# Altium PCB DevKITV3.PcbDoc (part 2 of 5) (continued)
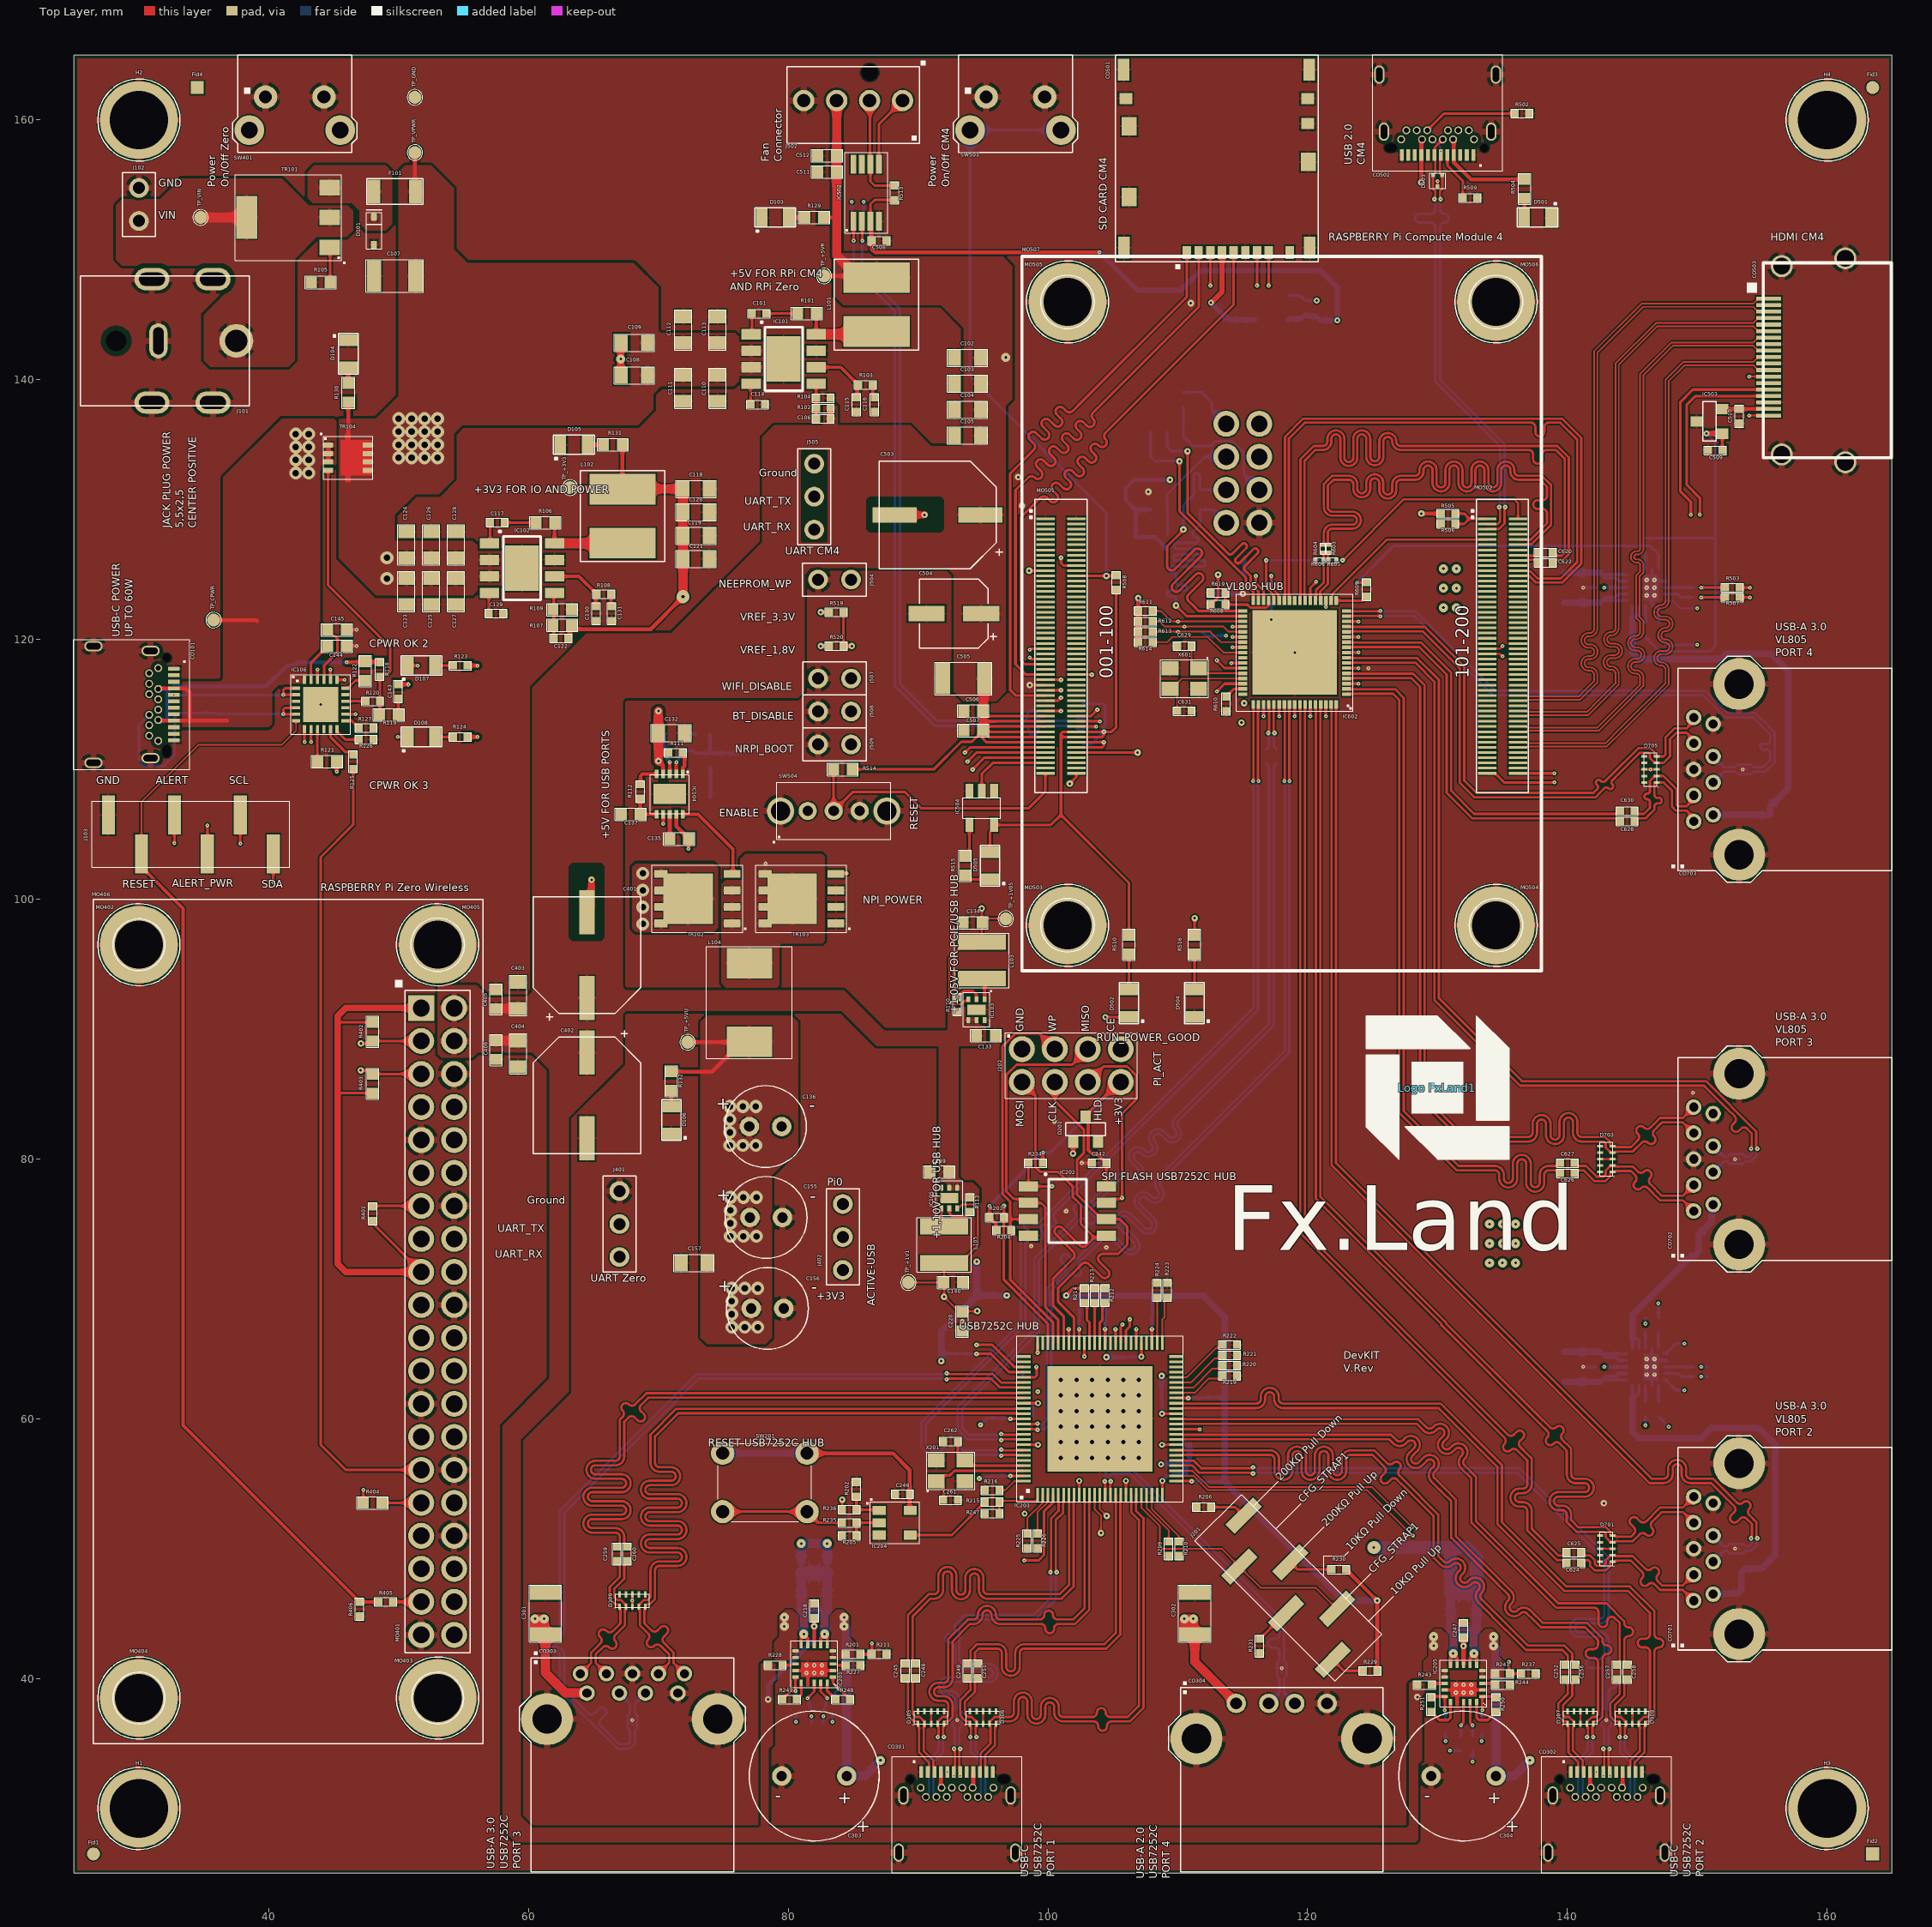
[diagram p0: Top Layer view]
## Via types
v1: diameter 0.3, hole 0.1, Top Layer to Bottom Layer, 136 vias
v2: diameter 0.35, hole 0.1, Top Layer to Bottom Layer, 106 vias
v3: diameter 1, hole 0.5, Top Layer to Bottom Layer, 54 vias
v4: diameter 0.5, hole 0.2, Top Layer to Bottom Layer, 53 vias
v5: diameter 0.7, hole 0.2, Top Layer to Bottom Layer, 37 vias
v6: diameter 0.6, hole 0.33, Top Layer to Bottom Layer, 36 vias
v7: diameter 0.45, hole 0.2, Top Layer to Bottom Layer, 15 vias
v8: diameter 0.4, hole 0.1, Top Layer to Bottom Layer, 2 vias
v9: diameter 1, hole 0.2, Top Layer to Bottom Layer, 1 vias
v10: diameter 1, hole 0.25, Top Layer to Bottom Layer, 1 vias

## Nets (pads, with @x,y where several pads share a name; then routed paths per layer and width w, separated by ;. In a path a pad name is that pad's centre, name@x,y a point inside that pad or via, vN(x,y) a via of type N, cw(c..) or ccw(c..) an arc to the next point about the centre after c; other vN are vias at no path point)
0_RXD0: J401.1 MO401.10 | length 16.5
  Layer 6 w0.2: MO401.10@54.276,81.47 57.99,81.47 J401.1@67,72.46
0_TXD0: J401.2 MO401.8 | length 16.5
  Layer 6 w0.2: MO401.8@54.276,84.01 57.99,84.01 J401.2@67,75
1V8_OUT: MO501.88 MO501.90 R520.1 | length 30.1
  Top Layer w0.2: v4(82.5,119.5) R520.1@83.15,119.5 ; MO501.90@102.19,111.7 104.183,111.7 104.3,111.817 v2(104.3,112.1) MO501.88@102.19,112.1
  Layer 6 w0.2: v4(82.5,119.5) 83.7,118.3 85.2,118.3 91.4,112.1 v2(104.3,112.1)
3V3_OUT: C501.1 C508.1 D505.A IC501.5 IC502.3 IC504.5 MO501.84 MO501.86 R501.1 R508.2 R510.2 R511.1 R512.1 R513.2 R519.1 | length 170.3
  Top Layer w0.2: v4(82.5,122.1) R519.1@83.15,122.1 ; IC502.3@86.325,152.2 86.325,153.525 86.65,153.85 R513.2@88.2,153.85 ; D505.A@95.535,103.635 95.535,105.165 95.85,105.48 IC504.5@95.85,105.73 100.23,105.73 101,106.5 ; R508.2@105.25,123.85 105.25,113.25 104.9,112.9 v2(104.3,112.9) ; R510.2@106.235,97.225 106.235,101.265 101,106.5 ; 101,106.5 101,112.5 ; 101,112.5 MO501.86@102.19,112.5 104.183,112.5 104.3,112.617 v2(104.3,112.9) ; 101,112.5 101,112.75 101.15,112.9 MO501.84@102.19,112.9 v2(104.3,112.9)
  Top Layer w0.3: IC502.3@86.325,152.2 86.388,152.137 86.388,150.763 C508.1@86.45,150.7 86.45,150.05 86.7,149.8 103.948,149.8 v1(103.969,149.821)
  Layer 6 w0.2: v4(82.5,122.1) 83.8,120.8 85.5,120.8 91.175,115.125 101.528,115.125 101.703,115.3 104.6,115.3 105,114.9 105,112.9
  Layer 6 w0.4: v2(104.3,112.9) 105,112.9 105.941,112.9 106.175,113.134 106.175,131.075 119.675,144.575 v7(122.275,144.575)
  Bottom Layer w0.2: R512.1@102.7,111.95 103.35,111.95 v2(104.3,112.9) 104.3,113.3 104.4,113.4 104.4,114.9 104.25,115.05 R511.1@102.7,115.05
  Bottom Layer w0.4: v1(103.969,149.821) 106.89,146.9 110.225,146.9 111.725,148.4 121,148.4 122.275,147.125 v7(122.275,144.575) 122.265,144.585 120.965,144.585 C501.1@120.925,144.625 120.9,144.625 120.625,144.9 119.9,144.9 R501.1@119.8,145 119.5,144.7 118.6,144.7 IC501.5@118.5,144.6
+1V1: C140.1 C220.1 C221.1 C222.1 C223.1 C224.1 C225.1 C226.1 C227.1 C228.1 C229.1 C230.1 C231.1 C232.1 C233.1 C234.1 C235.1 C236.1 C237.1 C238.1 IC105.3 IC203.9 IC203.18 IC203.25 IC203.33 IC203.39 IC203.55 IC203.78 IC203.85 IC203.93 L105.2 TP_+1V1.1 | length 44.7
  Top Layer w0.15: TP_+1V1.1@89.25,70.5 C140.1@91.975,70.5 ; v4(92,69.4) 92,70.475 C140.1@91.975,70.5 ; v4@92.019,69.381 92.95,68.45 93.175,68.45 C220.1@93.4,68.225 93.456,68.281 94.531,68.281 v4(94.55,68.3) ; IC105.3@93.1,76.2 93.1,76.25 93.15,76.3 93.2,76.3 93.4,76.5 94.4,76.5 94.6,76.3 94.6,73.372 93.75,72.522 93.75,72.5 93.25,72 L105.2@92,72 92,70.525 C140.1@91.975,70.5
  Top Layer w0.2: v2(94.5,65.7) 95.7,65.7 97.4,64 IC203.78@98.15,64 ; IC203.93@98.15,58 v7(99.225,58) ; IC203.85@98.15,61.2 v7(99.225,61.2) ; IC203.9@102.4,54.15 v7(102.4,55.225) ; IC203.18@106,54.15 v7(106,55.225) ; v7(107.2,64.775) IC203.55@107.2,65.85 ; v7(108.775,58) IC203.33@109.85,58 ; v7(108.775,60.4) IC203.39@109.85,60.4 ; IC203.25@108.8,54.15 v7(108.8,55.225)
  Bottom Layer w0.2: C233.1@98.85,60.2 C233.1@98.85,60.3 C234.1@98.85,61.2 v7(99.225,61.2) ; C229.1@105.2,64.75 C230.1@106.2,64.75 106.225,64.775 v7(107.2,64.775) ; C227.1@108.75,62.6 C228.1@108.75,61.6 108.775,61.575 v7(108.775,60.4) ; v7(108.775,58) 109.95,58 C226.1@110,58.05 C225.1@110.9,58.05 ; v7(108.8,55.225) 109.171,55.596 109.446,55.596 C224.1@109.6,55.75 C223.1@110.6,55.75
  Bottom Layer w0.4: v4(104.5,64.75) C229.1@105.2,64.75 ; v7(108.7,56.5) 110.523,56.5 110.573,56.45 110.6,56.45 ; C227.1@108.75,62.6 v4(108.75,63.3) ; C223.1@110.6,55.75 110.6,56.45 ; C225.1@110.9,58.05 110.9,56.777 110.6,56.477 110.6,56.45
  other v7: 98.2,52.7
+1V2: C145.1 IC106.21 | length 4.6
  Top Layer w0.2: IC106.21@44.25,116.9 44.275,116.925 44.275,118.025 45.275,119.025 45.275,120.085 45.085,120.275 44.975,120.275 44.525,120.725 C145.1@44.525,120.75
+1V05: C134.1 C610.1 C611.1 C612.1 C613.1 C614.1 C615.1 C616.1 C617.1 C618.1 C619.1 IC103.3 IC602.3 IC602.9 IC602.12 IC602.29 IC602.45 IC602.54 IC602.60 IC602.63 L103.2 TP_+1V05.1 | length 28.1
  Top Layer w0.15: IC103.3@93.875,92.3 93.875,92.262 93.8,92.187 93.595,92.187 93.332,91.925 92.517,91.925 92.4,92.042 92.4,95.453 93.122,96.175 94.375,96.175 L103.2@94.9,96.7 94.9,98.175 C134.1@94.925,98.2 ; v4(94.9,99.3) 94.9,98.225 C134.1@94.925,98.2 ; TP_+1V05.1@96.75,98.5 96.725,98.525 95.249,98.525 C134.1@94.925,98.2
  Top Layer w0.176: v2(117.2,124.9) 117.2,124 117.748,123.452 117.748,123.052 IC602.29@117.8,123
  Top Layer w0.2: v1(114.1,118.2) IC602.45@115,118.2 ; v1(116.6,114.1) IC602.54@116.6,115 ; v1(119,114.1) IC602.60@119,115 ; v1(120.2,114.1) IC602.63@120.2,115 ; IC602.3@123,116.6 v1(123.9,116.6) ; IC602.9@123,119 v1(123.9,119) ; IC602.12@123,120.2 v1(123.9,120.2)
  Bottom Layer w0.25: v1(114.1,118.2) C614.1@114.95,118.2 ; v1(116.6,114.1) C616.1@116.6,114.95 ; C613.1@117.2,123.95 v2(117.2,124.9) ; v1(119,114.1) C615.1@119,114.95 ; v1(120.2,114.1) C617.1@120.2,114.95 ; C618.1@123.05,116.6 v1(123.9,116.6) ; C612.1@123.05,119 v1(123.9,119) ; C619.1@123.05,120.2 v1(123.9,120.2)
  other v4: 115.1,115.1
+2V7: C144.1 IC106.23 | length 3.1
  Top Layer w0.2: IC106.23@43.25,116.9 43.25,118.225 44.175,119.15 44.2,119.15 44.525,119.475 C144.1@44.525,119.5
+3V3: C118.1 C119.1 C120.1 C121.1 C122.1 C201.1 C202.1 C203.1 C204.1 C205.1 C206.1 C207.1 C208.1 C209.1 C210.1 C211.1 C212.1 C213.1 C214.1 C215.1 C216.1 C217.1 C246.1 C602.1 C603.1 C604.1 C605.1 C606.1 C607.1 C608.1 C609.1 D201.1 D601.1 IC203.26 IC203.42 IC203.53 IC203.62 IC203.67 IC203.79 IC203.88 IC203.99 IC204.5 IC602.6 IC602.15 IC602.23 IC602.32 IC602.46 IC602.49 IC602.57 IC602.66 IC604.15 L102.2 R107.2 R131.1 R212.1 R213.1 R214.1 R229.2 R230.1 R607.2 R609.1 R611.1 R612.1 R613.1 R614.1 SW201.1 SW201.2 TP_+3V3.1 | length 220.8
  Top Layer w0.2: v2(94.5,65) 95.6,65 97,63.6 IC203.79@98.15,63.6 ; v2(97.1,55.6) IC203.99@98.15,55.6 ; v2(97.1,60) IC203.88@98.15,60 ; IC203.67@102.4,65.85 v2(102.4,66.9) ; IC203.62@104.4,65.85 v2(104.4,66.9) ; IC203.53@108,65.85 v2(108,66.9) ; IC203.26@109.85,55.2 v2(111.075,55.2) ; IC203.42@109.85,61.6 v2(110.8,61.6) ; v1(113,116) 113.6,116.6 IC602.49@115,116.6 ; v1(113,118.4) 113.6,117.8 IC602.46@115,117.8 ; v2(116,124.9) 116,124.352 116.6,123.752 IC602.32@116.6,123 ; v1(117.8,114.1) IC602.57@117.8,115 ; IC602.23@120.2,123 120.2,123.975 120.65,124.425 v1(120.65,124.45) ; v1(121.4,114.1) IC602.66@121.4,115 ; IC602.6@123,117.8 v1(123.9,117.8) ; IC602.15@123,121.4 v1(123.9,121.4) ; v1(123.8,124.4) R609.1@124.525,124.4
  Top Layer w0.25: v4(101.4,69.5) 101.95,70.05 R214.1@102.8,70.05 R213.1@103.6,70.05 R212.1@104.4,70.05
  Top Layer w0.3: C122.1@63.05,120.1 63.188,120.238 63.188,120.963 R107.2@63.325,121.1 63.325,121.075 63.6,120.8 69.4,120.8 v10(71.9,123.3) ; TP_+3V3.1@63.2,131.7 65.75,131.7 67.125,131.7 L102.2@67.225,131.6 ; R131.1@67.225,135 L102.2@67.225,131.6 ; L102.2@67.25,131.575 L102.2@67.225,131.6 ; SW201.2@81.45,57.35 88.05,57.35 89.35,56.05 C246.1@89.35,54.2 89.35,53 IC204.5@89.4,52.95 ; v4(101.925,80.425) 101.937,80.437 101.937,81.288 D201.1@101.95,81.3 ; R614.1@106.95,119.8 R613.1@106.95,120.6 R612.1@106.95,121.4 R611.1@106.95,122.2 v4(106.95,123.2) ; R230.1@122.95,48.4 v4(125.35,46) R229.2@125.35,40.6
  Top Layer w0.7: L102.2@65.75,131.7 65.875,131.575 L102.2@67.25,131.575 67.275,131.6 C118.1@71.9,131.6 C120.1@71.9,129.8 C119.1@71.9,128 C121.1@71.9,126.2 v10(71.9,123.3)
  Layer 6 w0.5: SW201.2@81.45,57.35 88.55,64.45 v4(91.775,64.45) 93.025,64.45 94.797,62.678 94.797,55.497 v8(94.7,55.4) ; v4(96.825,69.5) v4(101.4,69.5)
  Bottom Layer w0.2: 91.775,65.025 C212.1@92.6,65.025 93.375,65.025 93.4,65 v2(94.5,65) ; v8(94.7,55.4) 95.15,55.4 C216.1@95.3,55.55 C217.1@96.1,55.55 96.15,55.6 v2(97.1,55.6) ; v8(94.797,59.547) C214.1@95.3,60.05 C215.1@96.1,60.05 96.15,60 v2(97.1,60) ; v2(102.4,66.9) 102.4,67.85 C211.1@102.45,67.9 C210.1@102.45,68.7 102.45,69.5 ; v2(104.4,66.9) 104.4,67.85 C209.1@104.45,67.9 C208.1@104.45,68.7 104.45,69.5 ; v2(108,66.9) 108,67.85 C207.1@108.05,67.9 C206.1@108.05,68.7 108.05,69.5 ; v2(110.8,61.6) 111.95,61.6 C205.1@112,61.65 C204.1@112.8,61.65 113.6,61.65 ; v2(111.075,55.2) 111.95,55.2 C203.1@112,55.15 C202.1@112.8,55.15 113.6,55.15 ; v1(123.8,124.4) 126.625,127.225 146.358,127.225 147,126.583 IC604.15@147,125.45
  Bottom Layer w0.3: C602.1@115.125,126.3 115.137,126.287 115.137,124.912 C604.1@115.15,124.9
  Bottom Layer w0.5: SW201.1@74.95,57.35 SW201.2@81.45,57.35 ; v4(91.775,64.45) 91.775,65.025 91.775,66.75 C201.1@94.513,69.487 94.513,69.735 94.53,69.753 94.513,69.77 v4(94.513,72.1) ; C201.1@94.53,69.505 95.845,69.505 95.85,69.5 v4(96.825,69.5) ; v4(101.4,69.5) 102.45,69.5 104.45,69.5 108.05,69.5 111.95,69.5 113.6,67.85 113.6,61.65 113.6,55.15 122.75,46 v4(125.35,46)
  other v4: 114.9,113.6
+3V3_PCIe: C601.1 D601.3 IC601.8 J601.8 R601.1 R602.1 | length 22.7
  Layer 3 w0.3: v4(109.4,132.3) 109.438,132.338 109.738,132.338 113.73,136.33 J601.8@113.73,136.61
  Bottom Layer w0.2: R601.1@110.4,139.05 111.85,139.05 112.6,138.3 112.6,137.74 J601.8@113.73,136.61
  Bottom Layer w0.3: IC601.8@107.9,130 C601.1@106.75,130 ; R602.1@109.2,126.95 108.25,127.9 D601.3@106.75,127.9 C601.1@106.75,130 ; v4(109.4,132.3) 106.625,132.3 106,131.675 106,130.75 C601.1@106.75,130
+3V3_U7252: C242.1 D201.3 IC202.8 J202.8 R203.2 R204.2 R234.2 | length 27.1
  Top Layer w0.25: v1(95.5,76.4) R203.2@95.5,75.5 95.996,75.004 95.996,74.554 R204.2@96.05,74.5 ; R234.2@99.6,79.7 v1(99.6,80.5) ; IC202.8@104.5,77.9 C242.1@104.5,79.7 103.8,80.4 103.4,80.4 103.1,80.7 103.1,83.1 D201.3@102.9,83.3 102.9,83.35 105.48,85.93 J202.8@105.61,85.93
  Bottom Layer w0.25: v1(95.5,76.4) v1(99.6,80.5) 100.18,80.5 J202.8@105.61,85.93
+3V3R: J402.1 MO401.1 MO401.17 R401.2 R402.1 R403.1 R404.1 | length 124.2
  Top Layer w0.2: 45.3,85 45.375,85.075 R403.1@48,85.075 ; 45.3,90.4 45.425,90.525 R402.1@48,90.525 ; R404.1@47.275,53.53 v1(47.275,54.525) ; R401.2@48,75.25 48.2,75.05 48.2,74.846 MO401.17@51.736,71.31
  Top Layer w0.5: MO401.17@51.736,71.31 45.93,71.31 45.3,71.94 45.3,85 45.3,90.4 45.3,91 45.93,91.63 MO401.1@51.736,91.63
  Layer 3 w0.2: 48.862,74.184 49.778,75.1 61.5,75.1 65.8,70.8 68.2,70.8 68.86,71.46 J402.1@84.2,71.46
  Layer 3 w0.5: v1(47.275,54.525) 47.275,66.849 MO401.17@51.736,71.31 48.862,74.184 48,75.046 48,87.894 MO401.1@51.736,91.63
+5VR: C102.1 C103.1 C104.1 C105.1 C106.1 C133.1 C139.1 C218.1 C247.1 C401.1 C402.1 C403.1 C404.1 C405.1 C406.1 C503.1 C504.1 C505.1 C506.1 C507.1 C509.1 C511.1 C512.1 C632.1 C637.1 IC103.4 IC103.5 IC105.4 IC105.5 IC201.8 IC205.8 IC503.1 IC603.8 IC604.8 J502.3 L101.2 MO401.2 MO401.4 MO501.77 MO501.79 MO501.81 MO501.83 MO501.85 MO501.87 R102.2 R110.1 R113.1 R129.1 R228.2 R243.2 R514.2 R623.2 R624.2 R625.1 R626.1 TP_+5VR.1 | length 213.1
  Top Layer w0.2: R514.2@84.925,110 91.2,110 93.325,112.125 94.125,112.125 C507.1@94.975,112.975 ; 94.975,113.7 MO501.79@99.81,113.7 ; C506.1@94.975,114.5 94.975,114.475 95.35,114.1 MO501.77@99.81,114.1 ; C507.1@95.063,112.887 95.45,112.5 MO501.85@99.81,112.5 ; MO501.87@99.81,112.1 95.25,112.1 94.975,112.375 C507.1@94.975,112.975 ; MO501.83@99.81,112.9 95.075,112.9 C507.1@94.975,113 ; MO501.81@99.81,113.3 95.275,113.3 C507.1@94.975,113 ; C509.1@151.925,134.575 IC503.1@151.925,135.85 ; C507.1@94.975,112.975 C507.1@94.975,113
  Top Layer w0.25: IC201.8@82,42.575 v4(82,44.025) C218.1@82,44.5 ; R129.1@82.725,152.5 83.705,152.5 83.73,152.475
  Top Layer w0.3: TP_+5VR.1@82.75,148 85.3,148 86.675,148 L101.2@86.8,147.875
  Top Layer w0.35: C106.1@83.25,137 R102.2@83.25,137.8 ; IC205.8@132,41.075 v4(132,42.5) C247.1@132,43.175
  Top Layer w0.4: v7(150.7,135.875) 150.71,135.865 151.906,135.865 IC503.1@151.908,135.867
  Top Layer w0.5: C506.1@94.975,114.5 C506.1@95.037,114.562 ; C505.1@95.037,116.937 C505.1@95.1,117
  Top Layer w0.7: C406.1@57.5,89.125 57.512,89.113 59.187,89.113 C404.1@59.2,89.1 ; C405.1@57.5,91.575 57.512,91.588 59.188,91.588 C403.1@59.2,91.6 ; J502.3@83.8,161.7 83.73,161.63 J502.3@83.73,161.5 83.73,152.475 83.73,149.57 85.3,148 85.425,147.875 L101.2@86.8,147.875 ; C507.1@94.975,113 94.975,113.7 C506.1@94.975,114.475 ; C506.1@95.037,114.562 C505.1@95.037,116.937
  Layer 3 w0.35: v4(128.45,38.575) 130.03,40.155 131.155,40.155 131.99,40.99 131.99,42.49 v4(132,42.5)
  Layer 6 w0.3: v1(142.825,124) 144.702,125.877 147.8,125.877 ; v1(146,59.5) 142.825,62.675 v1(142.825,64) 142.825,67.354 ; v1(146,67.325) 142.854,67.325 142.825,67.354 ; v7@150.725,135.85 v7(150.7,135.875) 147.8,132.975 147.8,125.877 ; 142.825,67.354 142.825,83.325 147.8,88.3 147.8,125.877
  Bottom Layer w0.2: v1(146,59.5) R625.1@146,60.2 ; v1(146,67.325) R623.2@146,67.8 ; R626.1@146,120.2 147.1,119.1 151,119.1 151.4,119.5 151.4,127.759 ; R624.2@146,127.8 151.359,127.8 151.4,127.759 ; v7(150.7,135.875) 151.4,135.175 151.4,127.759
  Bottom Layer w0.25: v1(142.825,64) C632.1@143.3,64 IC603.8@144.55,64 ; v1(142.825,124) C637.1@143.3,124 IC604.8@144.55,124
  Bottom Layer w0.35: v4(78.45,38.4) 78.45,39.475 82,43.025 v4(82,44.025)
  other v5: 96.75,141.725
+5VU: C136.1 C155.1 C156.1 C157.1 C219.1 C239.1 C240.1 C241.1 C250.1 C253.1 C254.1 C255.1 C633.1 C634.1 C635.1 C636.1 C638.1 C639.1 C640.1 C641.1 IC201.6 IC201.7 IC201.9 IC201.10 IC205.6 IC205.7 IC205.9 IC205.10 IC603.6 IC603.7 IC603.9 IC603.10 IC604.6 IC604.7 IC604.9 IC604.10 L104.2 R115.2 R116.2 R132.1 TP_+5VU.1 | length 92.8
  Top Layer w0.25: IC201.10@81,42.575 81,43.103 81.2,43.303 v5@81.2,43.371 ; v5(81.2,43.425) v5@81.2,43.371 ; IC201.9@81.5,42.575 81.5,43.071 v5@81.2,43.371 ; IC201.7@82.5,42.575 82.5,43.071 v5@82.8,43.371 ; v5(82.8,43.425) v5@82.8,43.371 ; IC201.6@83,42.575 83,43.103 82.8,43.303 v5@82.8,43.371 ; IC205.10@131,41.075 131,41.603 131.2,41.803 v5@131.2,41.871 ; v5(131.2,41.925) v5@131.2,41.871 ; IC205.9@131.5,41.075 131.5,41.571 v5@131.2,41.871 ; IC205.7@132.5,41.075 132.5,41.571 v5@132.8,41.871 ; v5(132.8,41.925) v5@132.8,41.871 ; IC205.6@133,41.075 133,41.603 132.8,41.803 v5@132.8,41.871
  Top Layer w0.3: R132.1@71,86.725 74.125,86.725 L104.2@76.4,89 ; TP_+5VU.1@72.25,89 L104.2@76.4,89 ; L104.2@76.4,89 76.975,89 L104.2@77,89.025 76.425,89.025 L104.2@76.4,89
  Bottom Layer w0.25: C634.1@142.5,62.85 C634.1@142.65,63 ; C636.1@142.5,65.15 C636.1@142.65,65 ; C641.1@142.5,122.85 C641.1@142.65,123 ; C640.1@142.5,125.15 C640.1@142.65,125 ; IC603.6@144.55,63 C634.1@142.65,63 ; IC603.7@144.55,63.5 143.925,63.5 143.7,63.275 142.925,63.275 C634.1@142.65,63 ; IC603.9@144.55,64.5 143.925,64.5 143.7,64.725 142.925,64.725 C636.1@142.65,65 ; IC603.10@144.55,65 C636.1@142.65,65 ; IC604.6@144.55,123 C641.1@142.65,123 ; IC604.7@144.55,123.5 143.925,123.5 143.7,123.275 142.925,123.275 C641.1@142.65,123 ; IC604.9@144.55,124.5 143.925,124.5 143.7,124.725 142.925,124.725 C640.1@142.65,125 ; IC604.10@144.55,125 C640.1@142.65,125
  Bottom Layer w0.5: C633.1@139.75,62.85 C634.1@142.5,62.85 ; C635.1@139.75,65.15 C636.1@142.5,65.15 ; C639.1@139.75,122.85 C641.1@142.5,122.85 ; C638.1@139.75,125.15 C640.1@142.5,125.15
  Bottom Layer w0.7: C240.1@81,48.125 C241.1@81,45.125 C239.1@83,45.125 ; C240.1@81,49 v5(81,50.4) v5(83,50.4) C219.1@83,49 ; v5(81.2,43.425) C241.1@81.2,44.925 ; v5(82.8,43.425) 82.8,44.925 C239.1@83,45.125 ; C219.1@83,48.125 C239.1@83,45.125 ; C253.1@131,46.625 C254.1@131,43.625 C255.1@133,43.625 ; v5(131.2,41.925) C254.1@131.2,43.425 ; v5(132.8,41.925) 132.8,43.425 C255.1@133,43.625 ; C250.1@133,46.625 C255.1@133,43.625
  Bottom Layer w1: C240.1@81,48.125 C219.1@83,48.125 ; v9(125.1,50.1) 130.819,50.1 ; 130.819,50.1 132.2,50.1 133,49.3 C250.1@133,46.625 C253.1@131,46.625 131,49.919 130.819,50.1
  other v3: 75.65,67.05 76.65,67.05 77.65,67.05 75.65,68.05 75.65,69.05 75.65,70.05 76.65,70.05 77.65,70.05 75.55,74.05 76.55,74.05 77.55,74.05 75.55,75.05 75.55,76.05 75.55,77.05 76.55,77.05 77.55,77.05 75.5,81.05 76.5,81.05 77.5,81.05 75.5,82.05 75.5,83.05 75.5,84.05 76.5,84.05 77.5,84.05
  other v5: 134,72 135,72 136,72 134,73.5 135,73.5 136,73.5 134,75 135,75 136,75 130.45,122.45 131.45,122.45 130.45,123.95 131.45,123.95 130.45,125.45 131.45,125.45
+VCC: C137.1 IC104.6 R112.1 | length 2.5
  Top Layer w0.25: R112.1@68.6,107.75 C137.1@68.6,106.55 IC104.6@69.875,106.55
ACTIVE_USB: J402.2 R217.2 | length 20
  Layer 3 w0.127: J402.2@84.2,74 96.1,62.1 v2(99.225,62.1)
ACTIVE_USB_ZERO: J402.3 MO401.11 | length 34.1
  Layer 3 w0.127: MO401.11@51.736,78.93 52.966,77.7 59.95,77.7 60.75,78.5 82.24,78.5 J402.3@84.2,76.54
ALERT: J103.4 MO401.31 R404.2 | length 67
  Top Layer w0.2: v1(32.73,104.31) J103.4@32.73,106.5 ; R404.2@48.725,53.53 MO401.31@51.736,53.53
  Layer 3 w0.2: v1(32.73,104.31) 36.4,100.64 36.4,93.9 45.7,84.6 45.7,54.2 46.37,53.53 MO401.31@51.736,53.53
ALERT_1: IC201.20 R248.1 | length 1.5
  Top Layer w0.21: IC201.20@83,39.675 83,39.05 R248.1@83.65,38.4
ALERT_2: IC205.20 R250.1 | length 3
  Top Layer w0.21: IC205.20@133,38.175 133,37 133.2,36.8 133.85,36.8 R250.1@134.5,37.45
ALERT_3: IC201.16 R249.1 | length 1.4
  Top Layer w0.21: R249.1@80.65,38.4 81,38.75 IC201.16@81,39.675
ALERT_3-2: IC602.41 IC603.20 R613.2 | length 103.9
  Top Layer w0.125: R613.2@108.05,120.6 112.5,120.6 113.3,119.8 IC602.41@115,119.8
  Layer 3 w0.2: v1(110,120.6) 110,117.5 113.375,114.125 113.375,70.665 125.14,58.9 148.3,58.9 149,59.6 v1(149,62.2)
  Bottom Layer w0.2: IC603.20@147.45,63 147.575,63 148.375,62.2 v1(149,62.2)
ALERT_3-3: IC602.39 IC603.16 R612.2 | length 102.4
  Top Layer w0.125: R612.2@108.05,121.4 108.6,121.4 109,121 v1(110.5,121) 113.5,121 113.9,120.6 IC602.39@115,120.6
  Layer 3 w0.2: v1(110.5,121) 113.6,121 113.9,120.7 114,120.6 114.5,120.6 115.35,119.75 115.35,115.814 115.575,115.589 115.575,113.603 114.35,112.378 114.35,71.069 116.194,69.225 146.725,69.225 146.9,69.4 148.1,69.4 149,68.5 v1(149,65.8)
  Bottom Layer w0.2: IC603.16@147.45,65 147.575,65 148.375,65.8 v1(149,65.8)
ALERT_3-4: IC602.37 IC604.20 R611.2 | length 51.1
  Top Layer w0.125: R611.2@108.05,122.2 108.7,122.2 109.5,121.4 v1(110,121.4) IC602.37@115,121.4
  Layer 3 w0.125: v1(110,121.4) 115,121.4 116.7,123.1 145.4,123.1 146.1,122.4 148.8,122.4 v1(150,122.4)
  Bottom Layer w0.125: IC604.20@147.45,123 148.1,123 148.7,122.4 v1(150,122.4)
ALERT_4: IC205.16 R251.1 | length 3
  Top Layer w0.21: R251.1@129.5,37.45 130.15,36.8 130.8,36.8 131,37 IC205.16@131,38.175
ALERT_PWR: IC106.19 J103.3 | length 19.3
  Top Layer w0.2: J103.3@35.27,103.5 v1(35.27,105.69) ; IC106.19@45.25,116.9 v1(45.825,116.9)
  Layer 3 w0.2: v1(35.27,105.69) 42.15,112.57 42.15,112.85 42.15,114.85 44.2,116.9 v1(45.825,116.9)
BT_DIS: J508.2 MO501.91 | length 16.9
  Top Layer w0.2: v2(93.806,110.606) 94.5,111.3 MO501.91@99.81,111.3
  Layer 6 w0.2: J508.2@84.835,114.46 88.689,110.606 v2(93.806,110.606)
CC1: CO101.5 D102.1 IC106.1 IC106.2 | length 10.9
  Top Layer w0.2: IC106.2@42.1,115.75 v1(41.125,115.75) 41.133,115.758 41.133,116.133 41.25,116.25 IC106.1@42.1,116.25
  Bottom Layer w0.2: v1(32.7,115.75) 32.719,115.731 35.694,115.731 D102.1@35.775,115.65 35.856,115.731 41.106,115.731 v1(41.125,115.75)
CC2: CO101.25 D102.2 IC106.4 IC106.5 | length 21
  Top Layer w0.2: IC106.5@42.1,114.25 v1(41.125,114.25) 41.133,114.258 41.133,114.633 41.25,114.75 IC106.4@42.1,114.75
  Bottom Layer w0.2: CO101.25@30.79,114.2 30,113.41 30,110.621 30.351,110.27 31.902,110.27 32.75,111.118 32.75,114.025 33.075,114.35 D102.2@35.775,114.35 35.856,114.269 41.106,114.269 v1(41.125,114.25)
CEC: CO503.13 MO502.151 | length 31.4
  Top Layer w0.127: MO502.151@133.81,119.3 134.8,119.3 v1(135,119.5)
  Top Layer w0.152: v1(153.975,140.25) CO503.13@155.5,140.25
  Layer 6 w0.127: v1(135,119.5) 135,121.275 v1(153.975,140.25)
CFG_STRAP1: IC203.21 J201.2 J201.5 | length 20.2
  Top Layer w0.125: IC203.21@107.2,54.15 107.2,53.148 108.6,51.748 108.6,50.2 108.8,50 113.379,50 J201.5@114.745,48.633 116.379,47 120.621,47 J201.2@122.255,45.367
CFG_STRAP2: IC203.22 R209.2 | length 4.3
  Top Layer w0.125: IC203.22@107.6,54.15 107.6,53.121 109.3,51.421 R209.2@109.3,50.55
CFG_STRAP3: IC203.23 R210.2 | length 4.5
  Top Layer w0.125: IC203.23@108,54.15 108,53.042 110.076,50.966 110.076,50.574 R210.2@110.1,50.55
CK_N: CO503.12 MO502.190 | length 49
  Top Layer w0.125: MO502.190@136.19,111.7 136.805,111.7 136.88,111.774 143.029,111.774 144.204,112.949 147.8,116.545 147.8,117.49 147.8,117.678 ccw(c147.233,117.678) 147.233,118.245 147.23,118.245 cw(c147.23,118.562) 146.913,118.562 cw(c147.23,118.562) 147.23,118.878 147.542,118.878 ccw(c147.542,119.446) 148.109,119.446 ccw(c147.542,119.446) 147.542,120.013 ; 147.542,120.013 cw(c147.542,120.33) 147.225,120.33 cw(c147.542,120.33) 147.542,120.646 ; 147.542,120.646 ccw(c147.542,121.214) 148.109,121.214 ccw(c147.542,121.214) 147.542,121.781 147.232,121.781 cw(c147.232,122.098) 146.916,122.098 cw(c147.232,122.098) 147.232,122.414 ccw(c147.233,122.982) 147.8,122.982 147.8,126.107 147.8,139.9 149.025,141.125 154.314,141.125 154.387,141.051 154.387,141.033 154.483,140.937 154.513,140.937 154.7,140.75 CO503.12@155.5,140.75
CK_P: CO503.10 MO502.188 | length 49
  Top Layer w0.125: MO502.188@136.19,112.1 136.805,112.1 136.879,112.025 142.925,112.025 144.1,113.2 147.549,116.649 147.549,117.49 147.549,117.678 ccw(c147.233,117.678) 147.233,117.994 147.23,117.994 cw(c147.23,118.562) 146.662,118.562 cw(c147.23,118.562) 147.23,119.129 147.542,119.129 ccw(c147.542,119.446) 147.858,119.446 ccw(c147.542,119.446) 147.542,119.762 ; 147.542,119.762 cw(c147.542,120.33) 146.974,120.33 cw(c147.542,120.33) 147.542,120.897 ; 147.542,120.897 ccw(c147.542,121.214) 147.858,121.214 ccw(c147.542,121.214) 147.542,121.53 147.232,121.53 cw(c147.232,122.098) 146.665,122.098 cw(c147.232,122.098) 147.232,122.665 ccw(c147.233,122.982) 147.549,122.982 147.549,126.107 147.549,140.004 148.921,141.376 154.314,141.376 154.387,141.449 154.387,141.467 154.483,141.563 154.512,141.563 154.7,141.75 CO503.10@155.5,141.75
CM4_RXD0: J505.1 MO501.51 | length 31
  Top Layer w0.2: v1(98.6,119.2) 98.7,119.3 MO501.51@99.81,119.3
  Layer 3 w0.2: J505.1@82,128.46 83.5,128.46 83.6,128.46 ccw(c83.6,128.814) 83.954,128.814 83.954,129.018 cw(c84.308,129.018) 84.662,129.018 84.662,127.776 ccw(c85.016,127.776) 85.37,127.776 85.37,128.106 cw(c85.724,128.106) 85.724,128.46 86.584,128.46 97.64,128.46 99.8,126.3 99.8,119.6 99.4,119.2 v1(98.6,119.2)
CM4_TXD0: J505.2 MO501.55 | length 31
  Top Layer w0.2: v1(98.6,118.6) 98.7,118.5 MO501.55@99.81,118.5
  Layer 3 w0.2: J505.2@82,131 96.3,131 100.424,126.876 100.424,119.424 99.6,118.6 v1(98.6,118.6)
COMM_ILIM_13: IC201.3 R227.2 | length 1
  Top Layer w0.2: IC201.3@83.45,41.125 83.475,41.1 83.775,41.1 83.85,41.025 R227.2@84.45,41.025
COMM_ILIM_24: IC205.3 R244.2 | length 1
  Top Layer w0.2: IC205.3@133.45,39.625 134.35,39.625 R244.2@134.45,39.525
CPWR: CO101.4 CO101.9 CO101.24 CO101.29 IC106.24 R118.2 R122.1 TP_CPWR.1 TR104.1 TR104.2 TR104.3 | length 35.8
  Top Layer w0.3: CO101.24@31.49,113.8 31.54,113.75 CO101.9@32.7,113.75 33.862,113.75 ; CO101.29@31.49,116.2 31.54,116.25 CO101.4@32.7,116.25 33.55,116.25 33.9,115.9 33.9,113.788 33.862,113.75 ; TP_CPWR.1@35.75,121.5 39.025,121.5 39.095,121.43 ; 36.8,113.75 33.862,113.75 ; TR104.3@44.575,133.675 TR104.2@44.575,134.325 TR104.1@44.575,134.975 ; v1(46,118.25) 47.375,118.25 R122.1@47.425,118.3 47.45,118.275 48.525,118.275 R118.2@48.55,118.25
  Bottom Layer w0.3: CO101.24@31.49,113.8 32.2,113.8 32.2,115.957 32.3,116.057 32.3,116.2 ; CO101.29@31.49,116.2 32.3,116.2 ; v1(46,118.25) 42.25,118.25 42,118 41.4,118 39.8,116.4 32.643,116.4 32.443,116.2 32.3,116.2
  other v3: 42.075,132.825 43.075,132.825 42.075,133.825 43.075,133.825 42.075,134.825 43.075,134.825 42.075,135.825 43.075,135.825
CPWR_ATTACH: MO401.29 R125.2 | length 61.6
  Top Layer w0.2: R125.2@46.5,110.05 46.5,105.75 44,103.25 44,58 45.93,56.07 MO401.29@51.736,56.07
CPWR_PWROK2: D107.K IC106.20 | length 8.4
  Top Layer w0.2: IC106.20@44.75,116.9 v1(44.75,117.675) ; D107.K@50.7,118 v1(51.475,118)
  Layer 3 w0.2: v1(44.75,117.675) 51.15,117.675 v1(51.475,118)
CPWR_PWROK3: D108.K IC106.14 | length 5.5
  Top Layer w0.2: IC106.14@45.9,114.25 v1(46.675,114.25) ; v1(49.925,112.5) D108.K@50.7,112.5
  Layer 3 w0.2: v1(46.675,114.25) 48.425,112.5 v1(49.925,112.5)
DP1_DISCH: IC203.46 R222.2 | length 4.6
  Top Layer w0.127: IC203.46@109.85,63.2 110.7,63.2 112.964,65.464 113.214,65.464 R222.2@113.45,65.7
DP1_VBUS: IC203.4 R201.2 R211.2 | length 22.7
  Top Layer w0.2: R201.2@85.55,41.875 R211.2@86.45,41.875 v1(86.45,42.7) ; v1(98.15,49.1) 99.275,49.1 99.7,49.525 99.7,52.875 100.4,53.575 IC203.4@100.4,54.15
  Layer 3 w0.2: v1(86.45,42.7) 88.15,42.7 94.55,49.1 v1(98.15,49.1)
DP1_VCONN1: IC203.43 R219.2 | length 4.1
  Top Layer w0.127: IC203.43@109.85,62 111.3,62 112.4,63.1 113.25,63.1 R219.2@113.45,63.3
DP1_VCONN2: IC203.44 R220.2 | length 4.3
  Top Layer w0.127: IC203.44@109.85,62.4 111.2,62.4 112.664,63.864 113.214,63.864 R220.2@113.45,64.1
DP2_DISCH: IC203.45 R221.2 | length 4.5
  Top Layer w0.127: IC203.45@109.85,62.8 111,62.8 112.864,64.664 113.214,64.664 R221.2@113.45,64.9
DP2_VBUS: IC203.36 R237.2 R241.2 | length 36.1
  Top Layer w0.2: IC203.36@109.85,59.2 v1(111.7,59.2) ; v1(135.5,41.3) 135.5,40.425 R237.2@135.55,40.375 R241.2@136.45,40.375
  Layer 3 w0.2: v1(111.7,59.2) 118.5,59.2 133.5,44.2 133.5,42.1 134.1,41.5 135.3,41.5 v1(135.5,41.3)
DP2_VCONN1: IC203.51 R223.2 | length 3.7
  Top Layer w0.127: IC203.51@108.8,65.85 108.8,67.631 108.964,67.794 108.964,69.114 R223.2@109.2,69.35
DP2_VCONN2: IC203.52 R224.2 | length 3.5
  Top Layer w0.127: IC203.52@108.4,65.85 R224.2@108.4,69.35
GLOBAL_EN: MO501.99 R514.1 SW504.2 | length 22.6
  Top Layer w0.2: R514.1@83.475,110 83.5,109.975 SW504.2@83.5,106.8 84.95,108.25 89,108.25 90.25,107 98.5,107 99.81,108.31 MO501.99@99.81,109.7